# Altium PCB touch-tara-h-3 (final).PcbDoc (part 6 of 8)
Units mm, origin at the board's own origin, x right, y up, seen from the top; angles counter-clockwise.
Board outline 447.8 x 276.35 mm, 2 copper layers (Top Layer, Bottom Layer); 1040 components, 28 nets, 3254 pads, 0 vias.
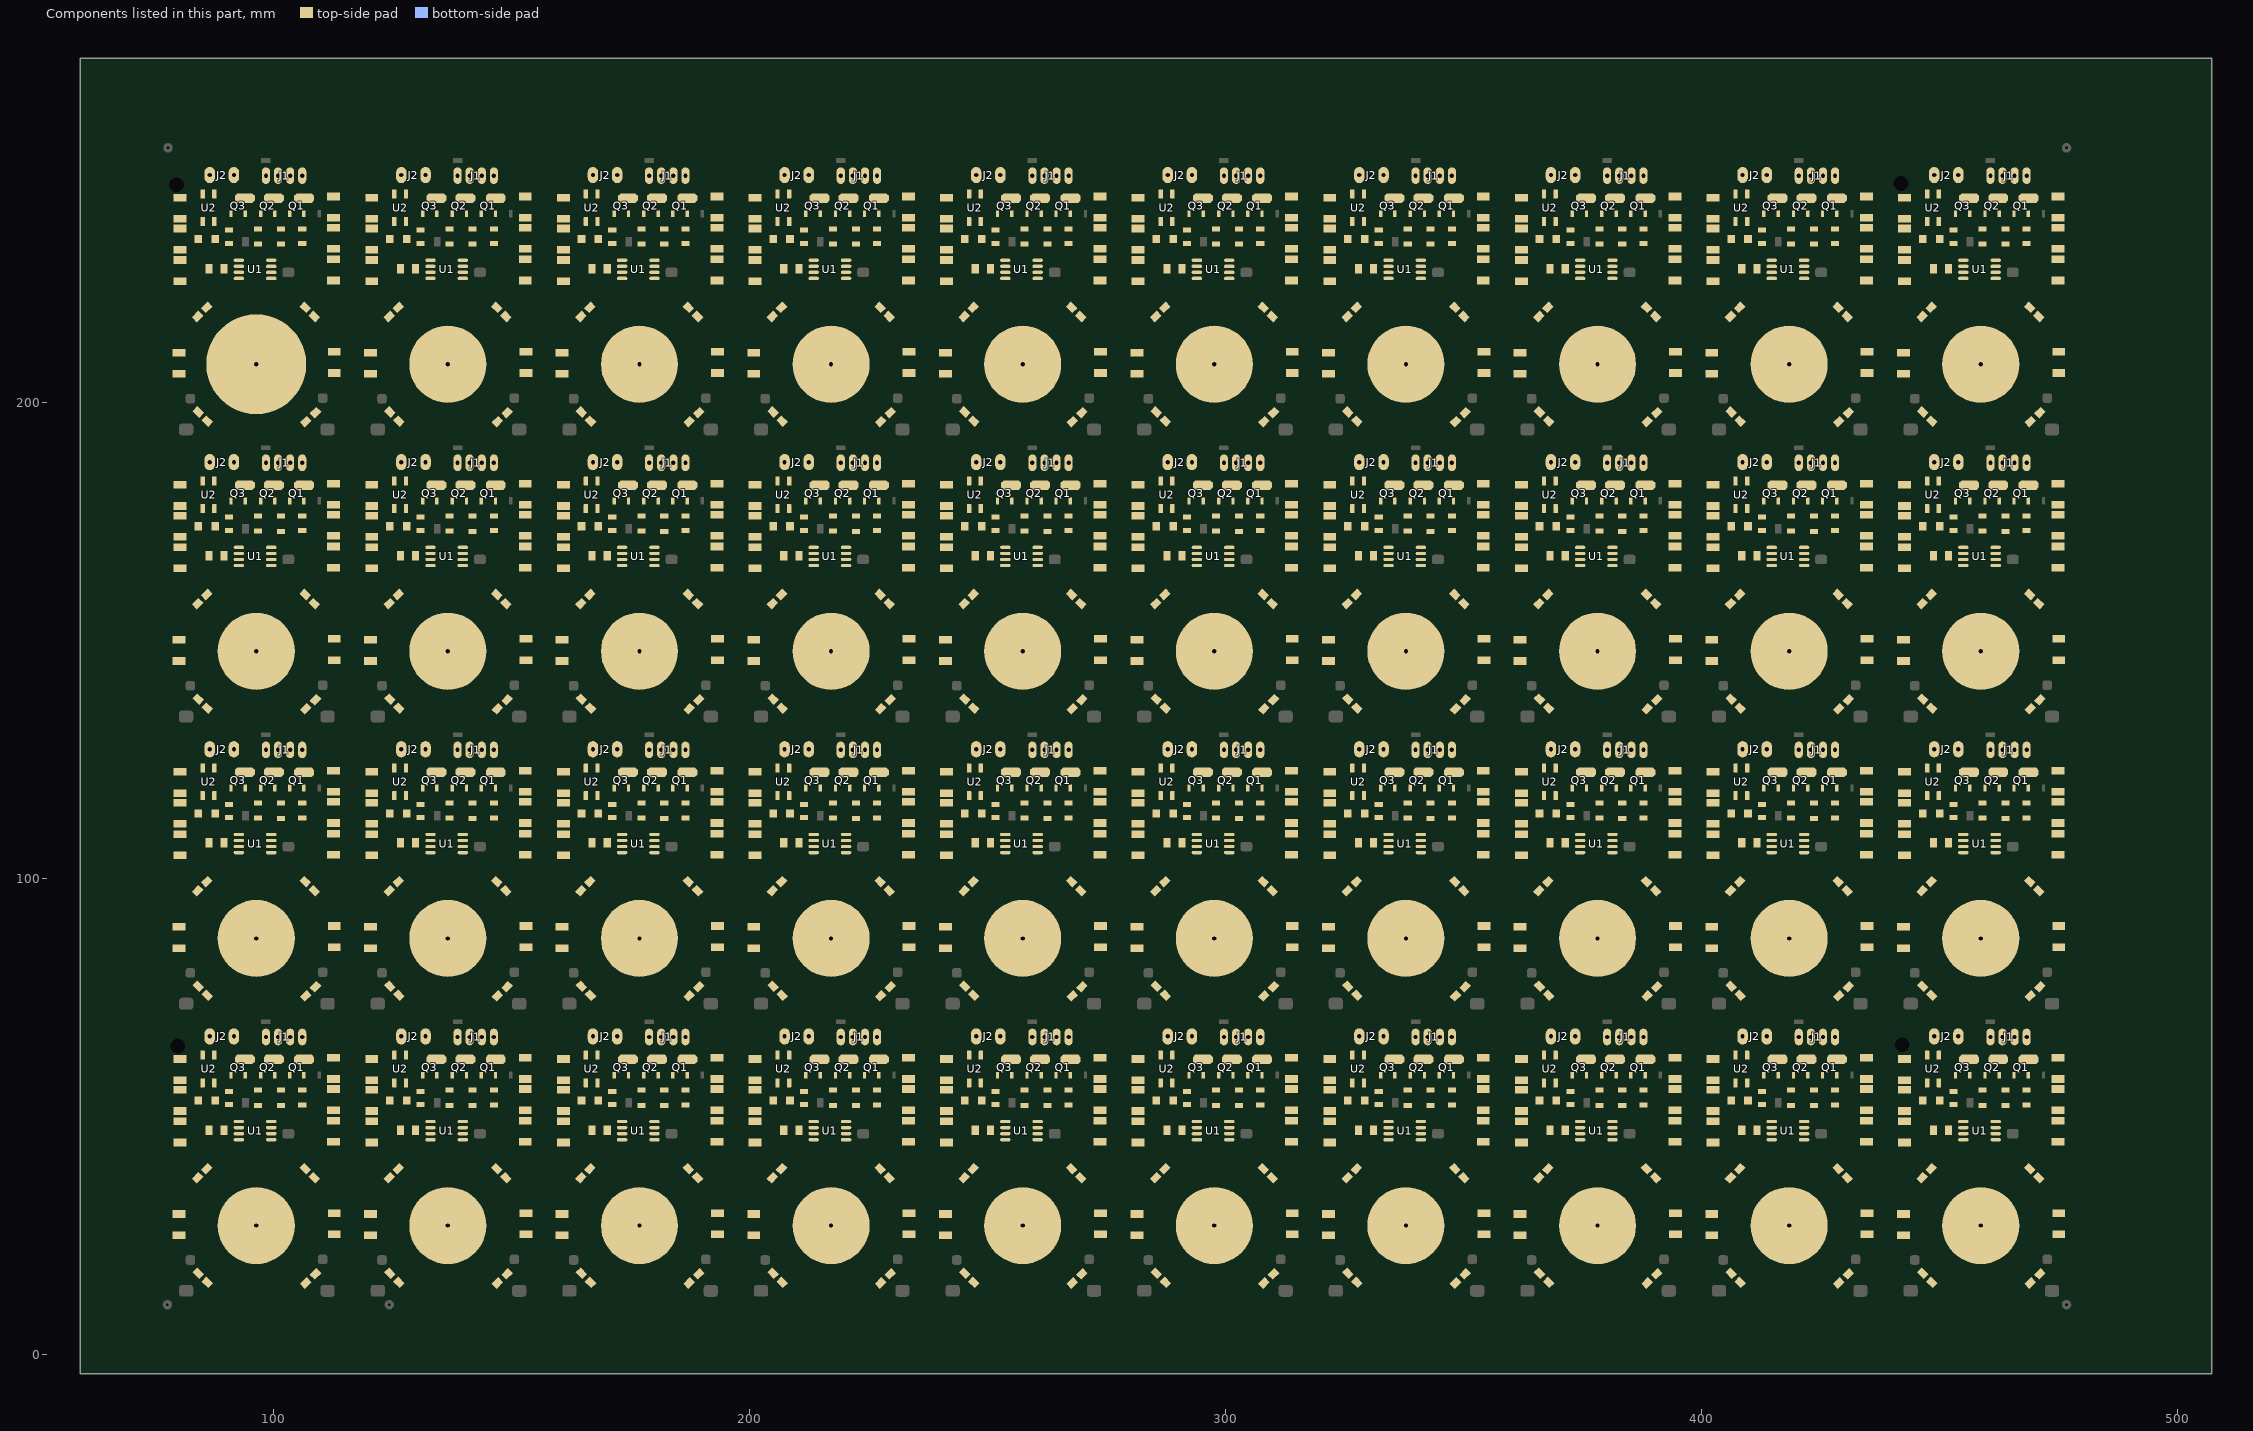
[diagram p6: the components of this part, seen from the top]

## Nets (pads, with @x,y where several pads share a name; then routed paths per layer and width w, separated by ;. In a path a pad name is that pad's centre, name@x,y a point inside that pad or via, vN(x,y) a via of type N, cw(c..) or ccw(c..) an arc to the next point about the centre after c; other vN are vias at no path point) (continued)
copper on no net: (continued)
  Top Layer w0.8: 261.342,118.977 261.342,118.007 262.186,117.163 262.186,115.949 262.311,115.824 262.636,115.824 ; 261.342,179.302 261.342,178.332 262.186,177.488 262.186,176.274 262.311,176.149 262.636,176.149 ; 261.342,239.627 261.342,238.657 262.186,237.813 262.186,236.599 262.311,236.474 262.636,236.474 ; 261.427,48.956 265.364,48.956 266.954,50.546 266.954,52.408 ; 261.427,109.281 265.364,109.281 266.954,110.871 266.954,112.733 ; 261.427,169.606 265.364,169.606 266.954,171.196 266.954,173.058 ; 261.427,229.931 265.364,229.931 266.954,231.521 266.954,233.383 ; 264.438,58.779 264.438,57.634 264.922,57.15 264.922,53.933 ; 264.438,119.104 264.438,117.959 264.922,117.475 264.922,114.258 ; 264.438,179.429 264.438,178.284 264.922,177.8 264.922,174.583 ; 264.438,239.754 264.438,238.609 264.922,238.125 264.922,234.908 ; 267.081,55.499 267.337,55.499 267.462,55.624 267.462,58.436 ; 267.081,115.824 267.337,115.824 267.462,115.949 267.462,118.761 ; 267.081,176.149 267.337,176.149 267.462,176.274 267.462,179.086 ; 267.081,236.474 267.337,236.474 267.462,236.599 267.462,239.411 ; 267.716,38.989 267.709,38.996 267.709,39.49 272.457,44.238 273.285,44.238 273.685,44.638 ; 267.716,99.314 267.709,99.321 267.709,99.815 272.457,104.563 273.285,104.563 273.685,104.963 ; 267.716,159.639 267.709,159.646 267.709,160.14 272.457,164.888 273.285,164.888 273.685,165.288 ; 267.716,219.964 267.709,219.971 267.709,220.465 272.457,225.213 273.285,225.213 273.685,225.613 ; 269.621,37.084 272.554,40.017 273.216,40.017 273.685,39.548 273.685,29.53 ; 269.621,97.409 272.554,100.342 273.216,100.342 273.685,99.873 273.685,89.855 ; 269.621,157.734 272.554,160.667 273.216,160.667 273.685,160.198 273.685,150.18 ; 269.621,218.059 272.554,220.992 273.216,220.992 273.685,220.523 273.685,210.505 ; 269.875,16.891 269.963,16.979 270.458,16.979 271.181,16.256 273.343,16.256 273.812,16.725 273.812,24.953 ; 269.875,77.216 269.963,77.304 270.458,77.304 271.181,76.581 273.343,76.581 273.812,77.05 273.812,85.278 ; 269.875,137.541 269.963,137.629 270.458,137.629 271.181,136.906 273.343,136.906 273.812,137.375 273.812,145.603 ; 269.875,197.866 269.963,197.954 270.458,197.954 271.181,197.231 273.343,197.231 273.812,197.7 273.812,205.928 ; 270.637,58.164 270.637,54.402 270.168,53.933 264.922,53.933 ; 270.637,118.489 270.637,114.727 270.168,114.258 264.922,114.258 ; 270.637,178.814 270.637,175.052 270.168,174.583 264.922,174.583 ; 270.637,239.139 270.637,235.377 270.168,234.908 264.922,234.908 ; 273.812,29.53 273.939,29.403 ; 273.812,89.855 273.939,89.728 ; 273.812,150.18 273.939,150.053 ; 273.812,210.505 273.939,210.378 ; 281.432,25.019 281.686,24.765 281.686,17.36 282.155,16.891 284.52,16.891 284.824,17.195 285.319,17.195 285.496,17.018 ; 281.432,85.344 281.686,85.09 281.686,77.685 282.155,77.216 284.52,77.216 284.824,77.52 285.319,77.52 285.496,77.343 ; 281.432,145.669 281.686,145.415 281.686,138.01 282.155,137.541 284.52,137.541 284.824,137.845 285.319,137.845 285.496,137.668 ; 281.432,205.994 281.686,205.74 281.686,198.335 282.155,197.866 284.52,197.866 284.824,198.17 285.319,198.17 285.496,197.993 ; 281.686,29.578 281.686,38.659 282.155,39.128 282.817,39.128 284.868,37.077 285.362,37.077 285.369,37.084 ; 281.686,89.903 281.686,98.984 282.155,99.453 282.817,99.453 284.868,97.402 285.362,97.402 285.369,97.409 ; 281.686,150.228 281.686,159.309 282.155,159.778 282.817,159.778 284.868,157.727 285.362,157.727 285.369,157.734 ; 281.686,210.553 281.686,219.634 282.155,220.103 282.817,220.103 284.868,218.052 285.362,218.052 285.369,218.059 ; 282.091,44.807 282.091,44.656 282.636,44.111 282.787,44.111 287.344,39.554 287.344,39.059 287.274,38.989 ; 282.091,105.132 282.091,104.981 282.636,104.436 282.787,104.436 287.344,99.879 287.344,99.384 287.274,99.314 ; 282.091,165.457 282.091,165.306 282.636,164.761 282.787,164.761 287.344,160.204 287.344,159.709 287.274,159.639 ; 282.091,225.782 282.091,225.631 282.636,225.086 282.787,225.086 287.344,220.529 287.344,220.034 287.274,219.964 ; 282.296,61.982 282.636,61.642 282.636,60.899 284.353,59.182 284.353,54.914 285.096,54.171 285.096,53.79 285.477,53.79 ; 282.296,122.307 282.636,121.967 282.636,121.224 284.353,119.507 284.353,115.239 285.096,114.496 285.096,114.115 285.477,114.115 ; 282.296,182.632 282.636,182.292 282.636,181.549 284.353,179.832 284.353,175.564 285.096,174.821 285.096,174.44 285.477,174.44 ; 282.296,242.957 282.636,242.617 282.636,241.874 284.353,240.157 284.353,235.889 285.096,235.146 285.096,234.765 285.477,234.765 ; 285.496,53.34 285.496,53.29 285.896,52.89 285.966,52.89 287.02,51.836 287.02,48.277 287.38,47.917 287.38,47.717 287.82,47.277 288.02,47.277 288.02,46.498 289.814,44.704 293.053,44.704 293.334,44.985 ; 285.496,113.665 285.496,113.615 285.896,113.215 285.966,113.215 287.02,112.161 287.02,108.602 287.38,108.242 287.38,108.042 287.82,107.602 288.02,107.602 288.02,106.823 289.814,105.029 293.053,105.029 293.334,105.31 ; 285.496,173.99 285.496,173.94 285.896,173.54 285.966,173.54 287.02,172.486 287.02,168.927 287.38,168.567 287.38,168.367 287.82,167.927 288.02,167.927 288.02,167.148 289.814,165.354 293.053,165.354 293.334,165.635 ; 285.496,234.315 285.496,234.265 285.896,233.865 285.966,233.865 287.02,232.811 287.02,229.252 287.38,228.892 287.38,228.692 287.82,228.252 288.02,228.252 288.02,227.473 289.814,225.679 293.053,225.679 293.334,225.96 ; 286.403,62.871 286.43,62.844 ; 286.403,123.196 286.43,123.169 ; 286.403,183.521 286.43,183.494 ; 286.403,243.846 286.43,243.819 ; 286.43,57.044 286.43,59.645 284.48,61.595 284.48,64.389 283.337,65.532 283.337,69.762 283.806,70.231 299.72,70.231 308.102,70.231 310.578,67.754 ; 286.43,117.369 286.43,119.97 284.48,121.92 284.48,124.714 283.337,125.857 283.337,130.087 283.806,130.556 299.72,130.556 308.102,130.556 310.578,128.079 ; 286.43,177.694 286.43,180.295 284.48,182.245 284.48,185.039 283.337,186.182 283.337,190.412 283.806,190.881 299.72,190.881 308.102,190.881 310.578,188.404 ; 286.43,238.019 286.43,240.62 284.48,242.57 284.48,245.364 283.337,246.507 283.337,250.737 283.806,251.206 299.72,251.206 308.102,251.206 310.578,248.73 ; 287.401,15.113 285.63,13.342 282.963,13.342 282.575,12.954 282.575,12.641 282.504,12.57 311.105,12.57 311.16,12.624 311.963,12.624 312.674,13.335 309.753,13.335 308.102,14.986 ; 287.401,75.438 285.63,73.667 282.963,73.667 282.575,73.279 282.575,72.966 282.504,72.895 311.105,72.895 311.16,72.949 311.963,72.949 312.674,73.66 309.753,73.66 308.102,75.311 ; 287.401,135.763 285.63,133.992 282.963,133.992 282.575,133.604 282.575,133.291 282.504,133.22 311.105,133.22 311.16,133.274 311.963,133.274 312.674,133.985 309.753,133.985 308.102,135.636 ; 287.401,196.088 285.63,194.317 282.963,194.317 282.575,193.929 282.575,193.616 282.504,193.545 311.105,193.545 311.16,193.599 311.963,193.599 312.674,194.31 309.753,194.31 308.102,195.961 ; 287.909,65.823 287.909,66.802 ; 287.909,126.148 287.909,127.127 ; 287.909,186.473 287.909,187.452 ; 287.909,246.798 287.909,247.777 ; 288.88,57.044 288.88,54.259 289.033,54.106 289.033,53.79 289.483,53.34 289.56,53.34 289.814,53.086 289.814,49.403 290.56,48.657 290.56,47.117 ; 288.88,117.369 288.88,114.584 289.033,114.431 289.033,114.115 289.483,113.665 289.56,113.665 289.814,113.411 289.814,109.728 290.56,108.982 290.56,107.442 ; 288.88,177.694 288.88,174.909 289.033,174.756 289.033,174.44 289.483,173.99 289.56,173.99 289.814,173.736 289.814,170.053 290.56,169.307 290.56,167.767 ; 288.88,238.019 288.88,235.234 289.033,235.081 289.033,234.765 289.483,234.315 289.56,234.315 289.814,234.061 289.814,230.378 290.56,229.632 290.56,228.092 ; 288.935,62.844 288.935,63.399 ; 288.935,123.169 288.935,123.724 ; 288.935,183.494 288.935,184.049 ; 288.935,243.819 288.935,244.374 ; 289.316,60.823 290.576,59.563 290.576,56.515 291.721,55.37 291.777,55.37 291.777,55.314 ; 289.316,121.148 290.576,119.888 290.576,116.84 291.721,115.695 291.777,115.695 291.777,115.639 ; 289.316,181.473 290.576,180.213 290.576,177.165 291.721,176.02 291.777,176.02 291.777,175.964 ; 289.316,241.798 290.576,240.538 290.576,237.49 291.721,236.345 291.777,236.345 291.777,236.289 ; 292.227,52.451 292.213,52.437 292.213,51.195 293.542,49.866 293.542,48.995 ; 292.227,112.776 292.213,112.762 292.213,111.52 293.542,110.191 293.542,109.32 ; 292.227,173.101 292.213,173.087 292.213,171.845 293.542,170.516 293.542,169.645 ; 292.227,233.426 292.213,233.412 292.213,232.17 293.542,230.841 293.542,229.97 ; 292.378,58.525 292.378,58.015 295.148,55.245 295.148,53.933 ; 292.378,118.85 292.378,118.34 295.148,115.57 295.148,114.258 ; 292.378,179.175 292.378,178.665 295.148,175.895 295.148,174.583 ; 292.378,239.5 292.378,238.99 295.148,236.22 295.148,234.908 ; 292.549,65.727 292.549,67.124 292.749,67.324 ; 292.549,126.052 292.549,127.449 292.749,127.649 ; 292.549,186.377 292.549,187.774 292.749,187.974 ; 292.549,246.702 292.549,248.099 292.749,248.299 ; 295.378,58.652 295.378,58.19 297.619,55.949 297.619,55.624 297.744,55.499 298.069,55.499 ; 295.378,118.977 295.378,118.515 297.619,116.274 297.619,115.949 297.744,115.824 298.069,115.824 ; 295.378,179.302 295.378,178.84 297.619,176.599 297.619,176.274 297.744,176.149 298.069,176.149 ; 295.378,239.627 295.378,239.165 297.619,236.924 297.619,236.599 297.744,236.474 298.069,236.474 ; 295.529,52.832 295.502,52.875 295.148,53.432 295.148,53.933 ; 295.529,113.157 295.502,113.2 295.148,113.757 295.148,114.258 ; 295.529,173.482 295.502,173.525 295.148,174.082 295.148,174.583 ; 295.529,233.807 295.502,233.85 295.148,234.407 295.148,234.908 ; 296.672,43.18 296.672,45.556 ; 296.672,103.505 296.672,105.881 ; 296.672,163.83 296.672,166.206 ; 296.672,224.155 296.672,226.531 ; 297.942,28.067 297.942,40.386 300.498,42.942 300.498,44.985 ; 297.942,88.392 297.942,100.711 300.498,103.267 300.498,105.31 ; 297.942,148.717 297.942,161.036 300.498,163.592 300.498,165.635 ; 297.942,209.042 297.942,221.361 300.498,223.917 300.498,225.96 ; 298.601,58.652 298.601,57.865 300.482,55.984 300.482,53.933 ; 298.601,118.977 298.601,118.19 300.482,116.309 300.482,114.258 ; 298.601,179.302 298.601,178.515 300.482,176.634 300.482,174.583 ; 298.601,239.627 298.601,238.84 300.482,236.959 300.482,234.908 ; 298.704,47.625 298.323,48.006 298.323,49.403 299.466,50.546 302.172,50.546 302.641,51.015 302.641,52.281 ; 298.704,107.95 298.323,108.331 298.323,109.728 299.466,110.871 302.172,110.871 302.641,111.34 302.641,112.606 ; 298.704,168.275 298.323,168.656 298.323,170.053 299.466,171.196 302.172,171.196 302.641,171.665 302.641,172.931 ; 298.704,228.6 298.323,228.981 298.323,230.378 299.466,231.521 302.172,231.521 302.641,231.99 302.641,233.256 ; 301.601,58.652 301.601,57.682 302.445,56.838 302.445,55.624 302.57,55.499 302.895,55.499 ; 301.601,118.977 301.601,118.007 302.445,117.163 302.445,115.949 302.57,115.824 302.895,115.824 ; 301.601,179.302 301.601,178.332 302.445,177.488 302.445,176.274 302.57,176.149 302.895,176.149 ; 301.601,239.627 301.601,238.657 302.445,237.813 302.445,236.599 302.57,236.474 302.895,236.474 ; 301.686,48.956 305.623,48.956 307.213,50.546 307.213,52.408 ; 301.686,109.281 305.623,109.281 307.213,110.871 307.213,112.733 ; 301.686,169.606 305.623,169.606 307.213,171.196 307.213,173.058 ; 301.686,229.931 305.623,229.931 307.213,231.521 307.213,233.383 ; 304.697,58.779 304.697,57.634 305.181,57.15 305.181,53.933 ; 304.697,119.104 304.697,117.959 305.181,117.475 305.181,114.258 ; 304.697,179.429 304.697,178.284 305.181,177.8 305.181,174.583 ; 304.697,239.754 304.697,238.609 305.181,238.125 305.181,234.908 ; 307.34,55.499 307.596,55.499 307.721,55.624 307.721,58.436 ; 307.34,115.824 307.596,115.824 307.721,115.949 307.721,118.761 ; 307.34,176.149 307.596,176.149 307.721,176.274 307.721,179.086 ; 307.34,236.474 307.596,236.474 307.721,236.599 307.721,239.411 ; 307.975,38.989 307.968,38.996 307.968,39.49 312.716,44.238 313.544,44.238 313.944,44.638 ; 307.975,99.314 307.968,99.321 307.968,99.815 312.716,104.563 313.544,104.563 313.944,104.963 ; 307.975,159.639 307.968,159.646 307.968,160.14 312.716,164.888 313.544,164.888 313.944,165.288 ; 307.975,219.964 307.968,219.971 307.968,220.465 312.716,225.213 313.544,225.213 313.944,225.613 ; 309.88,37.084 312.813,40.017 313.475,40.017 313.944,39.548 313.944,29.53 ; 309.88,97.409 312.813,100.342 313.475,100.342 313.944,99.873 313.944,89.855 ; 309.88,157.734 312.813,160.667 313.475,160.667 313.944,160.198 313.944,150.18 ; 309.88,218.059 312.813,220.992 313.475,220.992 313.944,220.523 313.944,210.505 ; 310.134,16.891 310.222,16.979 310.717,16.979 311.44,16.256 313.602,16.256 314.071,16.725 314.071,24.953 ; 310.134,77.216 310.222,77.304 310.717,77.304 311.44,76.581 313.602,76.581 314.071,77.05 314.071,85.278 ; 310.134,137.541 310.222,137.629 310.717,137.629 311.44,136.906 313.602,136.906 314.071,137.375 314.071,145.603 ; 310.134,197.866 310.222,197.954 310.717,197.954 311.44,197.231 313.602,197.231 314.071,197.7 314.071,205.928 ; 310.896,58.164 310.896,54.402 310.427,53.933 305.181,53.933 ; 310.896,118.489 310.896,114.727 310.427,114.258 305.181,114.258 ; 310.896,178.814 310.896,175.052 310.427,174.583 305.181,174.583 ; 310.896,239.139 310.896,235.377 310.427,234.908 305.181,234.908 ; 314.071,29.53 314.198,29.403 ; 314.071,89.855 314.198,89.728 ; 314.071,150.18 314.198,150.053 ; 314.071,210.505 314.198,210.378 ; 321.691,25.019 321.945,24.765 321.945,17.36 322.414,16.891 324.779,16.891 325.083,17.195 325.578,17.195 325.755,17.018 ; 321.691,85.344 321.945,85.09 321.945,77.685 322.414,77.216 324.779,77.216 325.083,77.52 325.578,77.52 325.755,77.343 ; 321.691,145.669 321.945,145.415 321.945,138.01 322.414,137.541 324.779,137.541 325.083,137.845 325.578,137.845 325.755,137.668 ; 321.691,205.994 321.945,205.74 321.945,198.335 322.414,197.866 324.779,197.866 325.083,198.17 325.578,198.17 325.755,197.993 ; 321.945,29.578 321.945,38.659 322.414,39.128 323.076,39.128 325.127,37.077 325.621,37.077 325.628,37.084 ; 321.945,89.903 321.945,98.984 322.414,99.453 323.076,99.453 325.127,97.402 325.621,97.402 325.628,97.409 ; 321.945,150.228 321.945,159.309 322.414,159.778 323.076,159.778 325.127,157.727 325.621,157.727 325.628,157.734 ; 321.945,210.553 321.945,219.634 322.414,220.103 323.076,220.103 325.127,218.052 325.621,218.052 325.628,218.059 ; 322.35,44.807 322.35,44.656 322.895,44.111 323.046,44.111 327.603,39.554 327.603,39.059 327.533,38.989 ; 322.35,105.132 322.35,104.981 322.895,104.436 323.046,104.436 327.603,99.879 327.603,99.384 327.533,99.314 ; 322.35,165.457 322.35,165.306 322.895,164.761 323.046,164.761 327.603,160.204 327.603,159.709 327.533,159.639 ; 322.35,225.782 322.35,225.631 322.895,225.086 323.046,225.086 327.603,220.529 327.603,220.034 327.533,219.964 ; 322.555,61.982 322.895,61.642 322.895,60.899 324.612,59.182 324.612,54.914 325.355,54.171 325.355,53.79 325.736,53.79 ; 322.555,122.307 322.895,121.967 322.895,121.224 324.612,119.507 324.612,115.239 325.355,114.496 325.355,114.115 325.736,114.115 ; 322.555,182.632 322.895,182.292 322.895,181.549 324.612,179.832 324.612,175.564 325.355,174.821 325.355,174.44 325.736,174.44 ; 322.555,242.957 322.895,242.617 322.895,241.874 324.612,240.157 324.612,235.889 325.355,235.146 325.355,234.765 325.736,234.765 ; 325.755,53.34 325.755,53.29 326.155,52.89 326.225,52.89 327.279,51.836 327.279,48.277 327.639,47.917 327.639,47.717 328.079,47.277 328.279,47.277 328.279,46.498 330.073,44.704 333.312,44.704 333.593,44.985 ; 325.755,113.665 325.755,113.615 326.155,113.215 326.225,113.215 327.279,112.161 327.279,108.602 327.639,108.242 327.639,108.042 328.079,107.602 328.279,107.602 328.279,106.823 330.073,105.029 333.312,105.029 333.593,105.31 ; 325.755,173.99 325.755,173.94 326.155,173.54 326.225,173.54 327.279,172.486 327.279,168.927 327.639,168.567 327.639,168.367 328.079,167.927 328.279,167.927 328.279,167.148 330.073,165.354 333.312,165.354 333.593,165.635 ; 325.755,234.315 325.755,234.265 326.155,233.865 326.225,233.865 327.279,232.811 327.279,229.252 327.639,228.892 327.639,228.692 328.079,228.252 328.279,228.252 328.279,227.473 330.073,225.679 333.312,225.679 333.593,225.96 ; 326.662,62.871 326.689,62.844 ; 326.662,123.196 326.689,123.169 ; 326.662,183.521 326.689,183.494 ; 326.662,243.846 326.689,243.819 ; 326.689,57.044 326.689,59.645 324.739,61.595 324.739,64.389 323.596,65.532 323.596,69.762 324.065,70.231 339.979,70.231 348.361,70.231 350.837,67.754 ; 326.689,117.369 326.689,119.97 324.739,121.92 324.739,124.714 323.596,125.857 323.596,130.087 324.065,130.556 339.979,130.556 348.361,130.556 350.837,128.079 ; 326.689,177.694 326.689,180.295 324.739,182.245 324.739,185.039 323.596,186.182 323.596,190.412 324.065,190.881 339.979,190.881 348.361,190.881 350.837,188.404 ; 326.689,238.019 326.689,240.62 324.739,242.57 324.739,245.364 323.596,246.507 323.596,250.737 324.065,251.206 339.979,251.206 348.361,251.206 350.837,248.73 ; 327.66,15.113 325.889,13.342 323.222,13.342 322.834,12.954 322.834,12.641 322.763,12.57 351.364,12.57 351.419,12.624 352.222,12.624 352.933,13.335 350.012,13.335 348.361,14.986 ; 327.66,75.438 325.889,73.667 323.222,73.667 322.834,73.279 322.834,72.966 322.763,72.895 351.364,72.895 351.419,72.949 352.222,72.949 352.933,73.66 350.012,73.66 348.361,75.311 ; 327.66,135.763 325.889,133.992 323.222,133.992 322.834,133.604 322.834,133.291 322.763,133.22 351.364,133.22 351.419,133.274 352.222,133.274 352.933,133.985 350.012,133.985 348.361,135.636 ; 327.66,196.088 325.889,194.317 323.222,194.317 322.834,193.929 322.834,193.616 322.763,193.545 351.364,193.545 351.419,193.599 352.222,193.599 352.933,194.31 350.012,194.31 348.361,195.961 ; 328.168,65.823 328.168,66.802 ; 328.168,126.148 328.168,127.127 ; 328.168,186.473 328.168,187.452 ; 328.168,246.798 328.168,247.777 ; 329.139,57.044 329.139,54.259 329.292,54.106 329.292,53.79 329.742,53.34 329.819,53.34 330.073,53.086 330.073,49.403 330.819,48.657 330.819,47.117 ; 329.139,117.369 329.139,114.584 329.292,114.431 329.292,114.115 329.742,113.665 329.819,113.665 330.073,113.411 330.073,109.728 330.819,108.982 330.819,107.442 ; 329.139,177.694 329.139,174.909 329.292,174.756 329.292,174.44 329.742,173.99 329.819,173.99 330.073,173.736 330.073,170.053 330.819,169.307 330.819,167.767 ; 329.139,238.019 329.139,235.234 329.292,235.081 329.292,234.765 329.742,234.315 329.819,234.315 330.073,234.061 330.073,230.378 330.819,229.632 330.819,228.092 ; 329.194,62.844 329.194,63.399 ; 329.194,123.169 329.194,123.724 ; 329.194,183.494 329.194,184.049 ; 329.194,243.819 329.194,244.374 ; 329.575,60.823 330.835,59.563 330.835,56.515 331.98,55.37 332.036,55.37 332.036,55.314 ; 329.575,121.148 330.835,119.888 330.835,116.84 331.98,115.695 332.036,115.695 332.036,115.639 ; 329.575,181.473 330.835,180.213 330.835,177.165 331.98,176.02 332.036,176.02 332.036,175.964 ; 329.575,241.798 330.835,240.538 330.835,237.49 331.98,236.345 332.036,236.345 332.036,236.289 ; 332.486,52.451 332.472,52.437 332.472,51.195 333.801,49.866 333.801,48.995 ; 332.486,112.776 332.472,112.762 332.472,111.52 333.801,110.191 333.801,109.32 ; 332.486,173.101 332.472,173.087 332.472,171.845 333.801,170.516 333.801,169.645 ; 332.486,233.426 332.472,233.412 332.472,232.17 333.801,230.841 333.801,229.97 ; 332.637,58.525 332.637,58.015 335.407,55.245 335.407,53.933 ; 332.637,118.85 332.637,118.34 335.407,115.57 335.407,114.258 ; 332.637,179.175 332.637,178.665 335.407,175.895 335.407,174.583 ; 332.637,239.5 332.637,238.99 335.407,236.22 335.407,234.908 ; 332.808,65.727 332.808,67.124 333.008,67.324 ; 332.808,126.052 332.808,127.449 333.008,127.649 ; 332.808,186.377 332.808,187.774 333.008,187.974 ; 332.808,246.702 332.808,248.099 333.008,248.299 ; 335.637,58.652 335.637,58.19 337.878,55.949 337.878,55.624 338.003,55.499 338.328,55.499 ; 335.637,118.977 335.637,118.515 337.878,116.274 337.878,115.949 338.003,115.824 338.328,115.824 ; 335.637,179.302 335.637,178.84 337.878,176.599 337.878,176.274 338.003,176.149 338.328,176.149 ; 335.637,239.627 335.637,239.165 337.878,236.924 337.878,236.599 338.003,236.474 338.328,236.474 ; 335.788,52.832 335.761,52.875 335.407,53.432 335.407,53.933 ; 335.788,113.157 335.761,113.2 335.407,113.757 335.407,114.258 ; 335.788,173.482 335.761,173.525 335.407,174.082 335.407,174.583 ; 335.788,233.807 335.761,233.85 335.407,234.407 335.407,234.908 ; 336.931,43.18 336.931,45.556 ; 336.931,103.505 336.931,105.881 ; 336.931,163.83 336.931,166.206 ; 336.931,224.155 336.931,226.531 ; 338.201,28.067 338.201,40.386 340.757,42.942 340.757,44.985 ; 338.201,88.392 338.201,100.711 340.757,103.267 340.757,105.31 ; 338.201,148.717 338.201,161.036 340.757,163.592 340.757,165.635 ; 338.201,209.042 338.201,221.361 340.757,223.917 340.757,225.96 ; 338.86,58.652 338.86,57.865 340.741,55.984 340.741,53.933 ; 338.86,118.977 338.86,118.19 340.741,116.309 340.741,114.258 ; 338.86,179.302 338.86,178.515 340.741,176.634 340.741,174.583 ; 338.86,239.627 338.86,238.84 340.741,236.959 340.741,234.908 ; 338.963,47.625 338.582,48.006 338.582,49.403 339.725,50.546 342.431,50.546 342.9,51.015 342.9,52.281 ; 338.963,107.95 338.582,108.331 338.582,109.728 339.725,110.871 342.431,110.871 342.9,111.34 342.9,112.606 ; 338.963,168.275 338.582,168.656 338.582,170.053 339.725,171.196 342.431,171.196 342.9,171.665 342.9,172.931 ; 338.963,228.6 338.582,228.981 338.582,230.378 339.725,231.521 342.431,231.521 342.9,231.99 342.9,233.256 ; 341.86,58.652 341.86,57.682 342.704,56.838 342.704,55.624 342.829,55.499 343.154,55.499 ; 341.86,118.977 341.86,118.007 342.704,117.163 342.704,115.949 342.829,115.824 343.154,115.824 ; 341.86,179.302 341.86,178.332 342.704,177.488 342.704,176.274 342.829,176.149 343.154,176.149 ; 341.86,239.627 341.86,238.657 342.704,237.813 342.704,236.599 342.829,236.474 343.154,236.474 ; 341.945,48.956 345.882,48.956 347.472,50.546 347.472,52.408 ; 341.945,109.281 345.882,109.281 347.472,110.871 347.472,112.733 ; 341.945,169.606 345.882,169.606 347.472,171.196 347.472,173.058 ; 341.945,229.931 345.882,229.931 347.472,231.521 347.472,233.383 ; 344.956,58.779 344.956,57.634 345.44,57.15 345.44,53.933 ; 344.956,119.104 344.956,117.959 345.44,117.475 345.44,114.258 ; 344.956,179.429 344.956,178.284 345.44,177.8 345.44,174.583 ; 344.956,239.754 344.956,238.609 345.44,238.125 345.44,234.908 ; 347.599,55.499 347.855,55.499 347.98,55.624 347.98,58.436 ; 347.599,115.824 347.855,115.824 347.98,115.949 347.98,118.761 ; 347.599,176.149 347.855,176.149 347.98,176.274 347.98,179.086 ; 347.599,236.474 347.855,236.474 347.98,236.599 347.98,239.411 ; 348.234,38.989 348.227,38.996 348.227,39.49 352.975,44.238 353.803,44.238 354.203,44.638 ; 348.234,99.314 348.227,99.321 348.227,99.815 352.975,104.563 353.803,104.563 354.203,104.963 ; 348.234,159.639 348.227,159.646 348.227,160.14 352.975,164.888 353.803,164.888 354.203,165.288 ; 348.234,219.964 348.227,219.971 348.227,220.465 352.975,225.213 353.803,225.213 354.203,225.613 ; 350.139,37.084 353.072,40.017 353.734,40.017 354.203,39.548 354.203,29.53 ; 350.139,97.409 353.072,100.342 353.734,100.342 354.203,99.873 354.203,89.855 ; 350.139,157.734 353.072,160.667 353.734,160.667 354.203,160.198 354.203,150.18 ; 350.139,218.059 353.072,220.992 353.734,220.992 354.203,220.523 354.203,210.505 ; 350.393,16.891 350.481,16.979 350.976,16.979 351.699,16.256 353.861,16.256 354.33,16.725 354.33,24.953 ; 350.393,77.216 350.481,77.304 350.976,77.304 351.699,76.581 353.861,76.581 354.33,77.05 354.33,85.278 ; 350.393,137.541 350.481,137.629 350.976,137.629 351.699,136.906 353.861,136.906 354.33,137.375 354.33,145.603 ; 350.393,197.866 350.481,197.954 350.976,197.954 351.699,197.231 353.861,197.231 354.33,197.7 354.33,205.928 ; 351.155,58.164 351.155,54.402 350.686,53.933 345.44,53.933 ; 351.155,118.489 351.155,114.727 350.686,114.258 345.44,114.258 ; 351.155,178.814 351.155,175.052 350.686,174.583 345.44,174.583 ; 351.155,239.139 351.155,235.377 350.686,234.908 345.44,234.908 ; 354.33,29.53 354.457,29.403 ; 354.33,89.855 354.457,89.728 ; 354.33,150.18 354.457,150.053 ; 354.33,210.505 354.457,210.378 ; 361.95,25.019 362.204,24.765 362.204,17.36 362.673,16.891 365.038,16.891 365.342,17.195 365.837,17.195 366.014,17.018 ; 361.95,85.344 362.204,85.09 362.204,77.685 362.673,77.216 365.038,77.216 365.342,77.52 365.837,77.52 366.014,77.343 ; 361.95,145.669 362.204,145.415 362.204,138.01 362.673,137.541 365.038,137.541 365.342,137.845 365.837,137.845 366.014,137.668 ; 361.95,205.994 362.204,205.74 362.204,198.335 362.673,197.866 365.038,197.866 365.342,198.17 365.837,198.17 366.014,197.993 ; 362.204,29.578 362.204,38.659 362.673,39.128 363.335,39.128 365.386,37.077 365.88,37.077 365.887,37.084 ; 362.204,89.903 362.204,98.984 362.673,99.453 363.335,99.453 365.386,97.402 365.88,97.402 365.887,97.409 ; 362.204,150.228 362.204,159.309 362.673,159.778 363.335,159.778 365.386,157.727 365.88,157.727 365.887,157.734 ; 362.204,210.553 362.204,219.634 362.673,220.103 363.335,220.103 365.386,218.052 365.88,218.052 365.887,218.059 ; 362.609,44.807 362.609,44.656 363.154,44.111 363.305,44.111 367.862,39.554 367.862,39.059 367.792,38.989 ; 362.609,105.132 362.609,104.981 363.154,104.436 363.305,104.436 367.862,99.879 367.862,99.384 367.792,99.314 ; 362.609,165.457 362.609,165.306 363.154,164.761 363.305,164.761 367.862,160.204 367.862,159.709 367.792,159.639 ; 362.609,225.782 362.609,225.631 363.154,225.086 363.305,225.086 367.862,220.529 367.862,220.034 367.792,219.964 ; 362.814,61.982 363.154,61.642 363.154,60.899 364.871,59.182 364.871,54.914 365.614,54.171 365.614,53.79 365.995,53.79 ; 362.814,122.307 363.154,121.967 363.154,121.224 364.871,119.507 364.871,115.239 365.614,114.496 365.614,114.115 365.995,114.115 ; 362.814,182.632 363.154,182.292 363.154,181.549 364.871,179.832 364.871,175.564 365.614,174.821 365.614,174.44 365.995,174.44 ; 362.814,242.957 363.154,242.617 363.154,241.874 364.871,240.157 364.871,235.889 365.614,235.146 365.614,234.765 365.995,234.765 ; 366.014,53.34 366.014,53.29 366.414,52.89 366.484,52.89 367.538,51.836 367.538,48.277 367.898,47.917 367.898,47.717 368.338,47.277 368.538,47.277 368.538,46.498 370.332,44.704 373.571,44.704 373.852,44.985 ; 366.014,113.665 366.014,113.615 366.414,113.215 366.484,113.215 367.538,112.161 367.538,108.602 367.898,108.242 367.898,108.042 368.338,107.602 368.538,107.602 368.538,106.823 370.332,105.029 373.571,105.029 373.852,105.31 ; 366.014,173.99 366.014,173.94 366.414,173.54 366.484,173.54 367.538,172.486 367.538,168.927 367.898,168.567 367.898,168.367 368.338,167.927 368.538,167.927 368.538,167.148 370.332,165.354 373.571,165.354 373.852,165.635 ; 366.014,234.315 366.014,234.265 366.414,233.865 366.484,233.865 367.538,232.811 367.538,229.252 367.898,228.892 367.898,228.692 368.338,228.252 368.538,228.252 368.538,227.473 370.332,225.679 373.571,225.679 373.852,225.96 ; 366.921,62.871 366.948,62.844 ; 366.921,123.196 366.948,123.169 ; 366.921,183.521 366.948,183.494 ; 366.921,243.846 366.948,243.819 ; 366.948,57.044 366.948,59.645 364.998,61.595 364.998,64.389 363.855,65.532 363.855,69.762 364.324,70.231 380.238,70.231 388.62,70.231 391.096,67.754 ; 366.948,117.369 366.948,119.97 364.998,121.92 364.998,124.714 363.855,125.857 363.855,130.087 364.324,130.556 380.238,130.556 388.62,130.556 391.096,128.079 ; 366.948,177.694 366.948,180.295 364.998,182.245 364.998,185.039 363.855,186.182 363.855,190.412 364.324,190.881 380.238,190.881 388.62,190.881 391.096,188.404 ; 366.948,238.019 366.948,240.62 364.998,242.57 364.998,245.364 363.855,246.507 363.855,250.737 364.324,251.206 380.238,251.206 388.62,251.206 391.096,248.73 ; 367.919,15.113 366.148,13.342 363.481,13.342 363.093,12.954 363.093,12.641 363.022,12.57 391.623,12.57 391.678,12.624 392.481,12.624 393.192,13.335 390.271,13.335 388.62,14.986 ; 367.919,75.438 366.148,73.667 363.481,73.667 363.093,73.279 363.093,72.966 363.022,72.895 391.623,72.895 391.678,72.949 392.481,72.949 393.192,73.66 390.271,73.66 388.62,75.311 ; 367.919,135.763 366.148,133.992 363.481,133.992 363.093,133.604 363.093,133.291 363.022,133.22 391.623,133.22 391.678,133.274 392.481,133.274 393.192,133.985 390.271,133.985 388.62,135.636 ; 367.919,196.088 366.148,194.317 363.481,194.317 363.093,193.929 363.093,193.616 363.022,193.545 391.623,193.545 391.678,193.599 392.481,193.599 393.192,194.31 390.271,194.31 388.62,195.961 ; 368.427,65.823 368.427,66.802 ; 368.427,126.148 368.427,127.127 ; 368.427,186.473 368.427,187.452 ; 368.427,246.798 368.427,247.777 ; 369.398,57.044 369.398,54.259 369.551,54.106 369.551,53.79 370.001,53.34 370.078,53.34 370.332,53.086 370.332,49.403 371.078,48.657 371.078,47.117 ; 369.398,117.369 369.398,114.584 369.551,114.431 369.551,114.115 370.001,113.665 370.078,113.665 370.332,113.411 370.332,109.728 371.078,108.982 371.078,107.442 ; 369.398,177.694 369.398,174.909 369.551,174.756 369.551,174.44 370.001,173.99 370.078,173.99 370.332,173.736 370.332,170.053 371.078,169.307 371.078,167.767 ; 369.398,238.019 369.398,235.234 369.551,235.081 369.551,234.765 370.001,234.315 370.078,234.315 370.332,234.061 370.332,230.378 371.078,229.632 371.078,228.092 ; 369.453,62.844 369.453,63.399 ; 369.453,123.169 369.453,123.724 ; 369.453,183.494 369.453,184.049 ; 369.453,243.819 369.453,244.374 ; 369.834,60.823 371.094,59.563 371.094,56.515 372.239,55.37 372.295,55.37 372.295,55.314 ; 369.834,121.148 371.094,119.888 371.094,116.84 372.239,115.695 372.295,115.695 372.295,115.639 ; 369.834,181.473 371.094,180.213 371.094,177.165 372.239,176.02 372.295,176.02 372.295,175.964 ; 369.834,241.798 371.094,240.538 371.094,237.49 372.239,236.345 372.295,236.345 372.295,236.289 ; 372.745,52.451 372.731,52.437 372.731,51.195 374.06,49.866 374.06,48.995 ; 372.745,112.776 372.731,112.762 372.731,111.52 374.06,110.191 374.06,109.32 ; 372.745,173.101 372.731,173.087 372.731,171.845 374.06,170.516 374.06,169.645 ; 372.745,233.426 372.731,233.412 372.731,232.17 374.06,230.841 374.06,229.97 ; 372.896,58.525 372.896,58.015 375.666,55.245 375.666,53.933 ; 372.896,118.85 372.896,118.34 375.666,115.57 375.666,114.258 ; 372.896,179.175 372.896,178.665 375.666,175.895 375.666,174.583 ; 372.896,239.5 372.896,238.99 375.666,236.22 375.666,234.908 ; 373.067,65.727 373.067,67.124 373.267,67.324 ; 373.067,126.052 373.067,127.449 373.267,127.649 ; 373.067,186.377 373.067,187.774 373.267,187.974 ; 373.067,246.702 373.067,248.099 373.267,248.299 ; 375.896,58.652 375.896,58.19 378.137,55.949 378.137,55.624 378.262,55.499 378.587,55.499 ; 375.896,118.977 375.896,118.515 378.137,116.274 378.137,115.949 378.262,115.824 378.587,115.824 ; 375.896,179.302 375.896,178.84 378.137,176.599 378.137,176.274 378.262,176.149 378.587,176.149 ; 375.896,239.627 375.896,239.165 378.137,236.924 378.137,236.599 378.262,236.474 378.587,236.474 ; 376.047,52.832 376.02,52.875 375.666,53.432 375.666,53.933 ; 376.047,113.157 376.02,113.2 375.666,113.757 375.666,114.258 ; 376.047,173.482 376.02,173.525 375.666,174.082 375.666,174.583 ; 376.047,233.807 376.02,233.85 375.666,234.407 375.666,234.908 ; 377.19,43.18 377.19,45.556 ; 377.19,103.505 377.19,105.881 ; 377.19,163.83 377.19,166.206 ; 377.19,224.155 377.19,226.531 ; 378.46,28.067 378.46,40.386 381.016,42.942 381.016,44.985 ; 378.46,88.392 378.46,100.711 381.016,103.267 381.016,105.31 ; 378.46,148.717 378.46,161.036 381.016,163.592 381.016,165.635 ; 378.46,209.042 378.46,221.361 381.016,223.917 381.016,225.96 ; 379.119,58.652 379.119,57.865 381,55.984 381,53.933 ; 379.119,118.977 379.119,118.19 381,116.309 381,114.258 ; 379.119,179.302 379.119,178.515 381,176.634 381,174.583 ; 379.119,239.627 379.119,238.84 381,236.959 381,234.908 ; 379.222,47.625 378.841,48.006 378.841,49.403 379.984,50.546 382.69,50.546 383.159,51.015 383.159,52.281 ; 379.222,107.95 378.841,108.331 378.841,109.728 379.984,110.871 382.69,110.871 383.159,111.34 383.159,112.606 ; 379.222,168.275 378.841,168.656 378.841,170.053 379.984,171.196 382.69,171.196 383.159,171.665 383.159,172.931 ; 379.222,228.6 378.841,228.981 378.841,230.378 379.984,231.521 382.69,231.521 383.159,231.99 383.159,233.256 ; 382.119,58.652 382.119,57.682 382.963,56.838 382.963,55.624 383.088,55.499 383.413,55.499 ; 382.119,118.977 382.119,118.007 382.963,117.163 382.963,115.949 383.088,115.824 383.413,115.824 ; 382.119,179.302 382.119,178.332 382.963,177.488 382.963,176.274 383.088,176.149 383.413,176.149 ; 382.119,239.627 382.119,238.657 382.963,237.813 382.963,236.599 383.088,236.474 383.413,236.474 ; 382.204,48.956 386.141,48.956 387.731,50.546 387.731,52.408 ; 382.204,109.281 386.141,109.281 387.731,110.871 387.731,112.733 ; 382.204,169.606 386.141,169.606 387.731,171.196 387.731,173.058 ; 382.204,229.931 386.141,229.931 387.731,231.521 387.731,233.383 ; 385.215,58.779 385.215,57.634 385.699,57.15 385.699,53.933 ; 385.215,119.104 385.215,117.959 385.699,117.475 385.699,114.258 ; 385.215,179.429 385.215,178.284 385.699,177.8 385.699,174.583 ; 385.215,239.754 385.215,238.609 385.699,238.125 385.699,234.908 ; 387.858,55.499 388.114,55.499 388.239,55.624 388.239,58.436 ; 387.858,115.824 388.114,115.824 388.239,115.949 388.239,118.761 ; 387.858,176.149 388.114,176.149 388.239,176.274 388.239,179.086 ; 387.858,236.474 388.114,236.474 388.239,236.599 388.239,239.411 ; 388.493,38.989 388.486,38.996 388.486,39.49 393.234,44.238 394.062,44.238 394.462,44.638 ; 388.493,99.314 388.486,99.321 388.486,99.815 393.234,104.563 394.062,104.563 394.462,104.963 ; 388.493,159.639 388.486,159.646 388.486,160.14 393.234,164.888 394.062,164.888 394.462,165.288 ; 388.493,219.964 388.486,219.971 388.486,220.465 393.234,225.213 394.062,225.213 394.462,225.613 ; 390.398,37.084 393.331,40.017 393.993,40.017 394.462,39.548 394.462,29.53 ; 390.398,97.409 393.331,100.342 393.993,100.342 394.462,99.873 394.462,89.855 ; 390.398,157.734 393.331,160.667 393.993,160.667 394.462,160.198 394.462,150.18 ; 390.398,218.059 393.331,220.992 393.993,220.992 394.462,220.523 394.462,210.505 ; 390.652,16.891 390.74,16.979 391.235,16.979 391.958,16.256 394.12,16.256 394.589,16.725 394.589,24.953 ; 390.652,77.216 390.74,77.304 391.235,77.304 391.958,76.581 394.12,76.581 394.589,77.05 394.589,85.278 ; 390.652,137.541 390.74,137.629 391.235,137.629 391.958,136.906 394.12,136.906 394.589,137.375 394.589,145.603 ; 390.652,197.866 390.74,197.954 391.235,197.954 391.958,197.231 394.12,197.231 394.589,197.7 394.589,205.928 ; 391.414,58.164 391.414,54.402 390.945,53.933 385.699,53.933 ; 391.414,118.489 391.414,114.727 390.945,114.258 385.699,114.258 ; 391.414,178.814 391.414,175.052 390.945,174.583 385.699,174.583 ; 391.414,239.139 391.414,235.377 390.945,234.908 385.699,234.908 ; 394.589,29.53 394.716,29.403 ; 394.589,89.855 394.716,89.728 ; 394.589,150.18 394.716,150.053 ; 394.589,210.505 394.716,210.378 ; 402.209,25.019 402.463,24.765 402.463,17.36 402.932,16.891 405.297,16.891 405.601,17.195 406.096,17.195 406.273,17.018 ; 402.209,85.344 402.463,85.09 402.463,77.685 402.932,77.216 405.297,77.216 405.601,77.52 406.096,77.52 406.273,77.343 ; 402.209,145.669 402.463,145.415 402.463,138.01 402.932,137.541 405.297,137.541 405.601,137.845 406.096,137.845 406.273,137.668 ; 402.209,205.994 402.463,205.74 402.463,198.335 402.932,197.866 405.297,197.866 405.601,198.17 406.096,198.17 406.273,197.993 ; 402.463,29.578 402.463,38.659 402.932,39.128 403.594,39.128 405.645,37.077 406.139,37.077 406.146,37.084 ; 402.463,89.903 402.463,98.984 402.932,99.453 403.594,99.453 405.645,97.402 406.139,97.402 406.146,97.409 ; 402.463,150.228 402.463,159.309 402.932,159.778 403.594,159.778 405.645,157.727 406.139,157.727 406.146,157.734 ; 402.463,210.553 402.463,219.634 402.932,220.103 403.594,220.103 405.645,218.052 406.139,218.052 406.146,218.059 ; 402.868,44.807 402.868,44.656 403.413,44.111 403.564,44.111 408.121,39.554 408.121,39.059 408.051,38.989 ; 402.868,105.132 402.868,104.981 403.413,104.436 403.564,104.436 408.121,99.879 408.121,99.384 408.051,99.314 ; 402.868,165.457 402.868,165.306 403.413,164.761 403.564,164.761 408.121,160.204 408.121,159.709 408.051,159.639 ; 402.868,225.782 402.868,225.631 403.413,225.086 403.564,225.086 408.121,220.529 408.121,220.034 408.051,219.964 ; 403.073,61.982 403.413,61.642 403.413,60.899 405.13,59.182 405.13,54.914 405.873,54.171 405.873,53.79 406.254,53.79 ; 403.073,122.307 403.413,121.967 403.413,121.224 405.13,119.507 405.13,115.239 405.873,114.496 405.873,114.115 406.254,114.115 ; 403.073,182.632 403.413,182.292 403.413,181.549 405.13,179.832 405.13,175.564 405.873,174.821 405.873,174.44 406.254,174.44 ; 403.073,242.957 403.413,242.617 403.413,241.874 405.13,240.157 405.13,235.889 405.873,235.146 405.873,234.765 406.254,234.765 ; 406.273,53.34 406.273,53.29 406.673,52.89 406.743,52.89 407.797,51.836 407.797,48.277 408.157,47.917 408.157,47.717 408.597,47.277 408.797,47.277 408.797,46.498 410.591,44.704 413.83,44.704 414.111,44.985 ; 406.273,113.665 406.273,113.615 406.673,113.215 406.743,113.215 407.797,112.161 407.797,108.602 408.157,108.242 408.157,108.042 408.597,107.602 408.797,107.602 408.797,106.823 410.591,105.029 413.83,105.029 414.111,105.31 ; 406.273,173.99 406.273,173.94 406.673,173.54 406.743,173.54 407.797,172.486 407.797,168.927 408.157,168.567 408.157,168.367 408.597,167.927 408.797,167.927 408.797,167.148 410.591,165.354 413.83,165.354 414.111,165.635 ; 406.273,234.315 406.273,234.265 406.673,233.865 406.743,233.865 407.797,232.811 407.797,229.252 408.157,228.892 408.157,228.692 408.597,228.252 408.797,228.252 408.797,227.473 410.591,225.679 413.83,225.679 414.111,225.96 ; 407.18,62.871 407.207,62.844 ; 407.18,123.196 407.207,123.169 ; 407.18,183.521 407.207,183.494 ; 407.18,243.846 407.207,243.819 ; 407.207,57.044 407.207,59.645 405.257,61.595 405.257,64.389 404.114,65.532 404.114,69.762 404.583,70.231 420.497,70.231 428.879,70.231 431.356,67.754 ; 407.207,117.369 407.207,119.97 405.257,121.92 405.257,124.714 404.114,125.857 404.114,130.087 404.583,130.556 420.497,130.556 428.879,130.556 431.356,128.079 ; 407.207,177.694 407.207,180.295 405.257,182.245 405.257,185.039 404.114,186.182 404.114,190.412 404.583,190.881 420.497,190.881 428.879,190.881 431.356,188.404 ; 407.207,238.019 407.207,240.62 405.257,242.57 405.257,245.364 404.114,246.507 404.114,250.737 404.583,251.206 420.497,251.206 428.879,251.206 431.356,248.73 ; 408.178,15.113 406.407,13.342 403.74,13.342 403.352,12.954 403.352,12.641 403.281,12.57 431.882,12.57 431.937,12.624 432.74,12.624 433.451,13.335 430.53,13.335 428.879,14.986 ; 408.178,75.438 406.407,73.667 403.74,73.667 403.352,73.279 403.352,72.966 403.281,72.895 431.882,72.895 431.937,72.949 432.74,72.949 433.451,73.66 430.53,73.66 428.879,75.311 ; 408.178,135.763 406.407,133.992 403.74,133.992 403.352,133.604 403.352,133.291 403.281,133.22 431.882,133.22 431.937,133.274 432.74,133.274 433.451,133.985 430.53,133.985 428.879,135.636 ; 408.178,196.088 406.407,194.317 403.74,194.317 403.352,193.929 403.352,193.616 403.281,193.545 431.882,193.545 431.937,193.599 432.74,193.599 433.451,194.31 430.53,194.31 428.879,195.961 ; 408.686,65.823 408.686,66.802 ; 408.686,126.148 408.686,127.127 ; 408.686,186.473 408.686,187.452 ; 408.686,246.798 408.686,247.777 ; 409.657,57.044 409.657,54.259 409.81,54.106 409.81,53.79 410.26,53.34 410.337,53.34 410.591,53.086 410.591,49.403 411.337,48.657 411.337,47.117 ; 409.657,117.369 409.657,114.584 409.81,114.431 409.81,114.115 410.26,113.665 410.337,113.665 410.591,113.411 410.591,109.728 411.337,108.982 411.337,107.442 ; 409.657,177.694 409.657,174.909 409.81,174.756 409.81,174.44 410.26,173.99 410.337,173.99 410.591,173.736 410.591,170.053 411.337,169.307 411.337,167.767 ; 409.657,238.019 409.657,235.234 409.81,235.081 409.81,234.765 410.26,234.315 410.337,234.315 410.591,234.061 410.591,230.378 411.337,229.632 411.337,228.092 ; 409.712,62.844 409.712,63.399 ; 409.712,123.169 409.712,123.724 ; 409.712,183.494 409.712,184.049 ; 409.712,243.819 409.712,244.374 ; 410.093,60.823 411.353,59.563 411.353,56.515 412.498,55.37 412.554,55.37 412.554,55.314 ; 410.093,121.148 411.353,119.888 411.353,116.84 412.498,115.695 412.554,115.695 412.554,115.639 ; 410.093,181.473 411.353,180.213 411.353,177.165 412.498,176.02 412.554,176.02 412.554,175.964 ; 410.093,241.798 411.353,240.538 411.353,237.49 412.498,236.345 412.554,236.345 412.554,236.289 ; 413.004,52.451 412.99,52.437 412.99,51.195 414.319,49.866 414.319,48.995 ; 413.004,112.776 412.99,112.762 412.99,111.52 414.319,110.191 414.319,109.32 ; 413.004,173.101 412.99,173.087 412.99,171.845 414.319,170.516 414.319,169.645 ; 413.004,233.426 412.99,233.412 412.99,232.17 414.319,230.841 414.319,229.97 ; 413.155,58.525 413.155,58.015 415.925,55.245 415.925,53.933 ; 413.155,118.85 413.155,118.34 415.925,115.57 415.925,114.258 ; 413.155,179.175 413.155,178.665 415.925,175.895 415.925,174.583 ; 413.155,239.5 413.155,238.99 415.925,236.22 415.925,234.908 ; 413.326,65.727 413.326,67.124 413.526,67.324 ; 413.326,126.052 413.326,127.449 413.526,127.649 ; 413.326,186.377 413.326,187.774 413.526,187.974 ; 413.326,246.702 413.326,248.099 413.526,248.299 ; 416.155,58.652 416.155,58.19 418.396,55.949 418.396,55.624 418.521,55.499 418.846,55.499 ; 416.155,118.977 416.155,118.515 418.396,116.274 418.396,115.949 418.521,115.824 418.846,115.824 ; 416.155,179.302 416.155,178.84 418.396,176.599 418.396,176.274 418.521,176.149 418.846,176.149 ; 416.155,239.627 416.155,239.165 418.396,236.924 418.396,236.599 418.521,236.474 418.846,236.474 ; 416.306,52.832 416.279,52.875 415.925,53.432 415.925,53.933 ; 416.306,113.157 416.279,113.2 415.925,113.757 415.925,114.258 ; 416.306,173.482 416.279,173.525 415.925,174.082 415.925,174.583 ; 416.306,233.807 416.279,233.85 415.925,234.407 415.925,234.908 ; 417.449,43.18 417.449,45.556 ; 417.449,103.505 417.449,105.881 ; 417.449,163.83 417.449,166.206 ; 417.449,224.155 417.449,226.531 ; 418.719,28.067 418.719,40.386 421.275,42.942 421.275,44.985 ; 418.719,88.392 418.719,100.711 421.275,103.267 421.275,105.31 ; 418.719,148.717 418.719,161.036 421.275,163.592 421.275,165.635 ; 418.719,209.042 418.719,221.361 421.275,223.917 421.275,225.96 ; 419.378,58.652 419.378,57.865 421.259,55.984 421.259,53.933 ; 419.378,118.977 419.378,118.19 421.259,116.309 421.259,114.258 ; 419.378,179.302 419.378,178.515 421.259,176.634 421.259,174.583 ; 419.378,239.627 419.378,238.84 421.259,236.959 421.259,234.908 ; 419.481,47.625 419.1,48.006 419.1,49.403 420.243,50.546 422.949,50.546 423.418,51.015 423.418,52.281 ; 419.481,107.95 419.1,108.331 419.1,109.728 420.243,110.871 422.949,110.871 423.418,111.34 423.418,112.606 ; 419.481,168.275 419.1,168.656 419.1,170.053 420.243,171.196 422.949,171.196 423.418,171.665 423.418,172.931 ; 419.481,228.6 419.1,228.981 419.1,230.378 420.243,231.521 422.949,231.521 423.418,231.99 423.418,233.256 ; 422.378,58.652 422.378,57.682 423.222,56.838 423.222,55.624 423.347,55.499 423.672,55.499 ; 422.378,118.977 422.378,118.007 423.222,117.163 423.222,115.949 423.347,115.824 423.672,115.824 ; 422.378,179.302 422.378,178.332 423.222,177.488 423.222,176.274 423.347,176.149 423.672,176.149 ; 422.378,239.627 422.378,238.657 423.222,237.813 423.222,236.599 423.347,236.474 423.672,236.474 ; 422.463,48.956 426.4,48.956 427.99,50.546 427.99,52.408 ; 422.463,109.281 426.4,109.281 427.99,110.871 427.99,112.733 ; 422.463,169.606 426.4,169.606 427.99,171.196 427.99,173.058 ; 422.463,229.931 426.4,229.931 427.99,231.521 427.99,233.383 ; 425.474,58.779 425.474,57.634 425.958,57.15 425.958,53.933 ; 425.474,119.104 425.474,117.959 425.958,117.475 425.958,114.258 ; 425.474,179.429 425.474,178.284 425.958,177.8 425.958,174.583 ; 425.474,239.754 425.474,238.609 425.958,238.125 425.958,234.908 ; 428.117,55.499 428.373,55.499 428.498,55.624 428.498,58.436 ; 428.117,115.824 428.373,115.824 428.498,115.949 428.498,118.761 ; 428.117,176.149 428.373,176.149 428.498,176.274 428.498,179.086 ; 428.117,236.474 428.373,236.474 428.498,236.599 428.498,239.411 ; 428.752,38.989 428.745,38.996 428.745,39.49 433.493,44.238 434.321,44.238 434.721,44.638 ; 428.752,99.314 428.745,99.321 428.745,99.815 433.493,104.563 434.321,104.563 434.721,104.963 ; 428.752,159.639 428.745,159.646 428.745,160.14 433.493,164.888 434.321,164.888 434.721,165.288 ; 428.752,219.964 428.745,219.971 428.745,220.465 433.493,225.213 434.321,225.213 434.721,225.613 ; 430.657,37.084 433.59,40.017 434.252,40.017 434.721,39.548 434.721,29.53 ; 430.657,97.409 433.59,100.342 434.252,100.342 434.721,99.873 434.721,89.855 ; 430.657,157.734 433.59,160.667 434.252,160.667 434.721,160.198 434.721,150.18 ; 430.657,218.059 433.59,220.992 434.252,220.992 434.721,220.523 434.721,210.505 ; 430.911,16.891 430.999,16.979 431.494,16.979 432.217,16.256 434.379,16.256 434.848,16.725 434.848,24.953 ; 430.911,77.216 430.999,77.304 431.494,77.304 432.217,76.581 434.379,76.581 434.848,77.05 434.848,85.278 ; 430.911,137.541 430.999,137.629 431.494,137.629 432.217,136.906 434.379,136.906 434.848,137.375 434.848,145.603 ; 430.911,197.866 430.999,197.954 431.494,197.954 432.217,197.231 434.379,197.231 434.848,197.7 434.848,205.928 ; 431.673,58.164 431.673,54.402 431.204,53.933 425.958,53.933 ; 431.673,118.489 431.673,114.727 431.204,114.258 425.958,114.258 ; 431.673,178.814 431.673,175.052 431.204,174.583 425.958,174.583 ; 431.673,239.139 431.673,235.377 431.204,234.908 425.958,234.908 ; 434.848,29.53 434.975,29.403 ; 434.848,89.855 434.975,89.728 ; 434.848,150.18 434.975,150.053 ; 434.848,210.505 434.975,210.378 ; 442.468,25.019 442.722,24.765 442.722,17.36 443.191,16.891 445.556,16.891 445.86,17.195 446.355,17.195 446.532,17.018 ; 442.468,85.344 442.722,85.09 442.722,77.685 443.191,77.216 445.556,77.216 445.86,77.52 446.355,77.52 446.532,77.343 ; 442.468,145.669 442.722,145.415 442.722,138.01 443.191,137.541 445.556,137.541 445.86,137.845 446.355,137.845 446.532,137.668 ; 442.468,205.994 442.722,205.74 442.722,198.335 443.191,197.866 445.556,197.866 445.86,198.17 446.355,198.17 446.532,197.993 ; 442.722,29.578 442.722,38.659 443.191,39.128 443.853,39.128 445.904,37.077 446.398,37.077 446.405,37.084 ; 442.722,89.903 442.722,98.984 443.191,99.453 443.853,99.453 445.904,97.402 446.398,97.402 446.405,97.409 ; 442.722,150.228 442.722,159.309 443.191,159.778 443.853,159.778 445.904,157.727 446.398,157.727 446.405,157.734 ; 442.722,210.553 442.722,219.634 443.191,220.103 443.853,220.103 445.904,218.052 446.398,218.052 446.405,218.059 ; 443.127,44.807 443.127,44.656 443.672,44.111 443.823,44.111 448.38,39.554 448.38,39.059 448.31,38.989 ; 443.127,105.132 443.127,104.981 443.672,104.436 443.823,104.436 448.38,99.879 448.38,99.384 448.31,99.314 ; 443.127,165.457 443.127,165.306 443.672,164.761 443.823,164.761 448.38,160.204 448.38,159.709 448.31,159.639 ; 443.127,225.782 443.127,225.631 443.672,225.086 443.823,225.086 448.38,220.529 448.38,220.034 448.31,219.964 ; 443.332,61.982 443.672,61.642 443.672,60.899 445.389,59.182 445.389,54.914 446.132,54.171 446.132,53.79 446.513,53.79 ; 443.332,122.307 443.672,121.967 443.672,121.224 445.389,119.507 445.389,115.239 446.132,114.496 446.132,114.115 446.513,114.115 ; 443.332,182.632 443.672,182.292 443.672,181.549 445.389,179.832 445.389,175.564 446.132,174.821 446.132,174.44 446.513,174.44 ; 443.332,242.957 443.672,242.617 443.672,241.874 445.389,240.157 445.389,235.889 446.132,235.146 446.132,234.765 446.513,234.765 ; 446.532,53.34 446.532,53.29 446.932,52.89 447.002,52.89 448.056,51.836 448.056,48.277 448.416,47.917 448.416,47.717 448.856,47.277 449.056,47.277 449.056,46.498 450.85,44.704 454.089,44.704 454.37,44.985 ; 446.532,113.665 446.532,113.615 446.932,113.215 447.002,113.215 448.056,112.161 448.056,108.602 448.416,108.242 448.416,108.042 448.856,107.602 449.056,107.602 449.056,106.823 450.85,105.029 454.089,105.029 454.37,105.31 ; 446.532,173.99 446.532,173.94 446.932,173.54 447.002,173.54 448.056,172.486 448.056,168.927 448.416,168.567 448.416,168.367 448.856,167.927 449.056,167.927 449.056,167.148 450.85,165.354 454.089,165.354 454.37,165.635